# KiCad board bumwings_v001R64_rp2040zero_sd.kicad_pcb
title: BumWings_001R; date: 2022-10-12; rev: v0.5; company: tubby.twins a.k.a. mschnoor
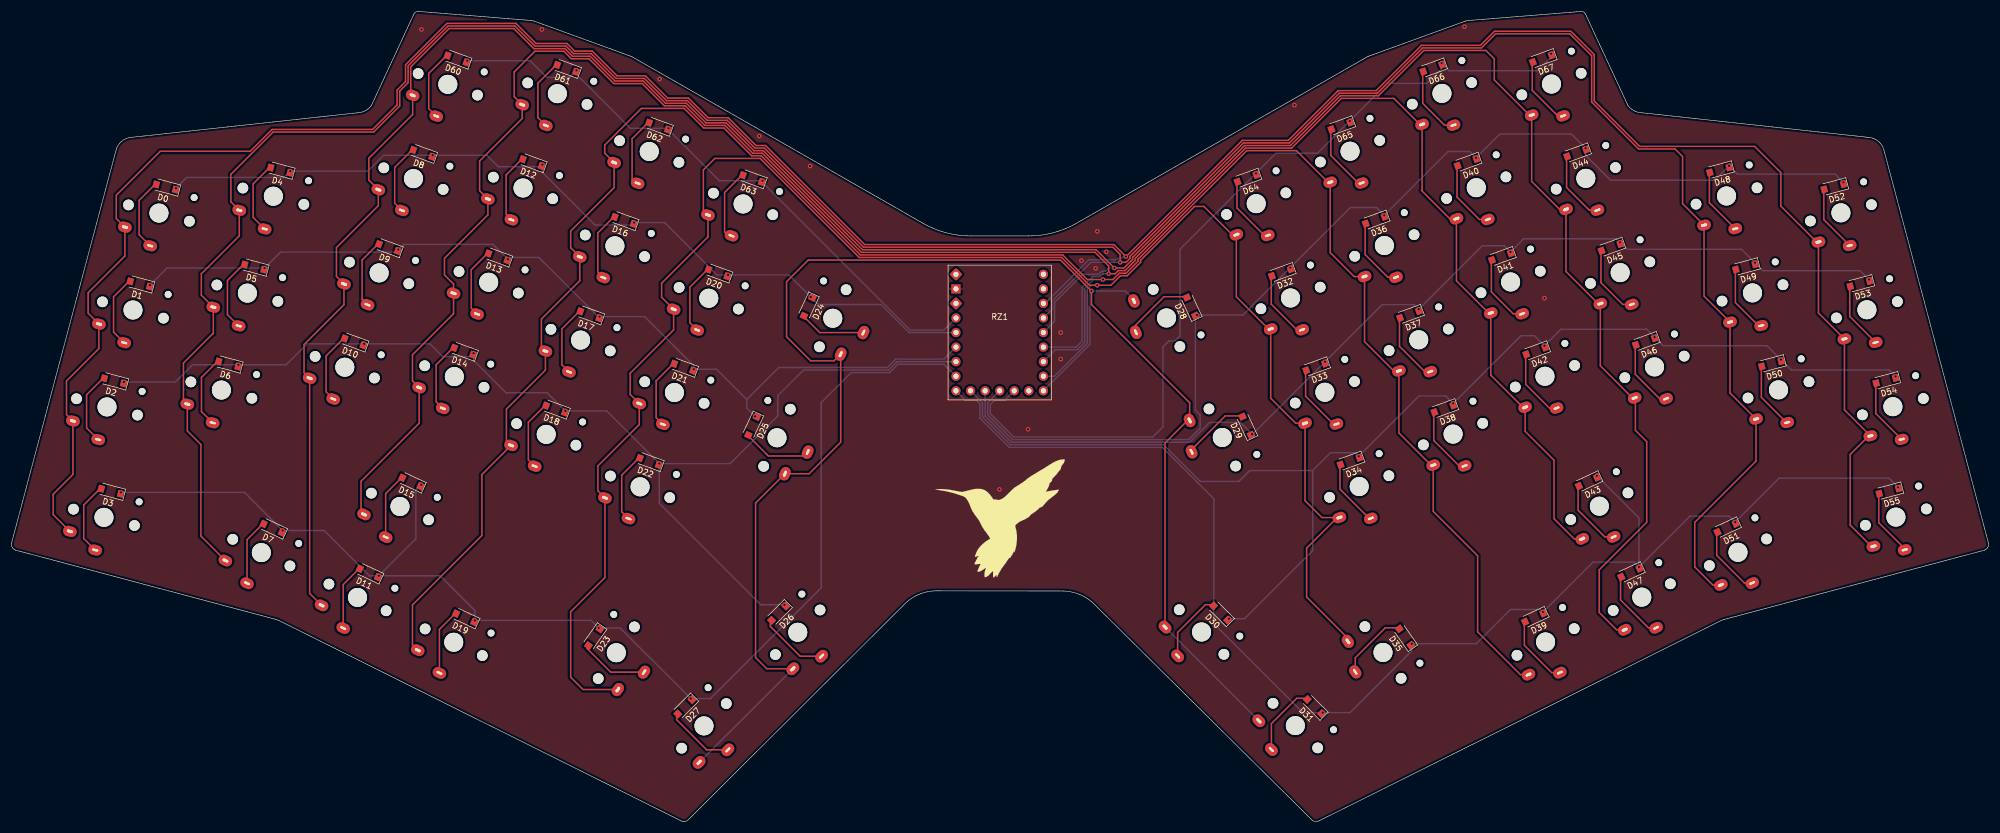
[diagram p0: board, top side]
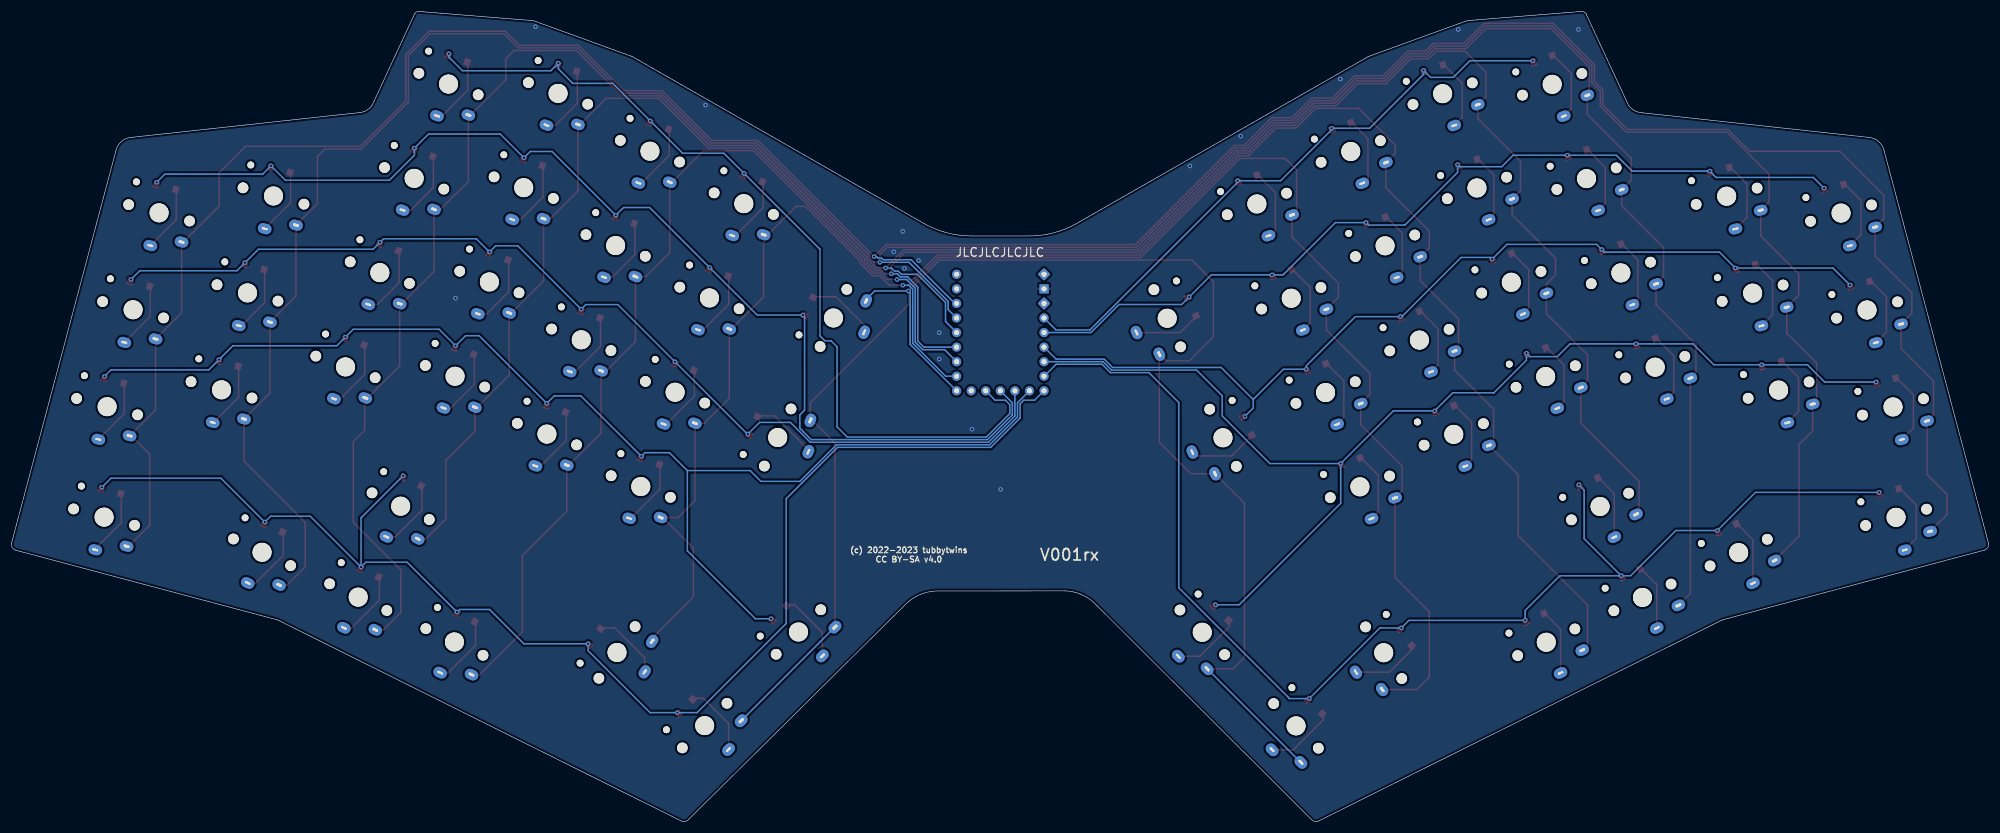
[diagram p1: board, bottom side, seen from below]

Outline 344.59 x 141.28 mm; copper layers: Top, Bottom. Coordinates in mm from the lower left corner of the outline.
Outline path: 0.71,47.33 arc(0.14,47.8) 0,48.52 18.22,117.07 arc(19.2,118.63) 20.9,119.32 60.42,123.62 arc(61.73,123.99) 62.74,124.9 70.14,140.83 arc(70.48,141.2) 70.97,141.28 90.58,139.7 arc(90.83,139.66) 91.09,139.59 107.91,133.48 arc(108.04,133.43) 108.15,133.38 158.93,104.3 arc(162.94,102.67) 167.24,102.13 177.24,102.13 arc(181.54,102.67) 185.55,104.3 236.33,133.38 arc(236.45,133.43) 236.57,133.48 253.4,139.59 arc(253.65,139.66) 253.91,139.7 273.51,141.28 arc(274,141.2) 274.34,140.83 281.74,124.9 arc(282.75,123.99) 284.07,123.62 323.59,119.32 arc(325.35,118.67) 326.37,117.07 344.59,48.52 arc(344.46,47.8) 343.88,47.33 298.48,35.24 arc(298.22,35.16) 297.97,35.06 227.84,0.1 arc(227.21,0) 226.64,0.3 189,37.64 arc(186.45,39.49) 183.38,40.21 160.99,40.23 arc(157.92,39.51) 155.38,37.64 117.95,0.3 arc(117.38,0.01) 116.75,0.1 46.62,35.06 arc(46.37,35.16) 46.11,35.24 0.71,47.33
Stack: Top 0.035mm / dielectric 1.51mm FR4 er 4.5 / Bottom 0.035mm

## Placement (name value [footprint] x y rotation side)
D0  D  [Diode_D_SOD-123]  26.92 110.66 165 top
D1  D  [Diode_D_SOD-123]  22.39 93.75 165 top
D2  D  [Diode_D_SOD-123]  17.86 76.85 165 top
D3  D  [Diode_D_SOD-123]  17.34 57.59 165 top
D4  D  [Diode_D_SOD-123]  46.86 113.59 165 top
D5  D  [Diode_D_SOD-123]  42.33 96.69 165 top
D6  D  [Diode_D_SOD-123]  37.8 79.79 165 top
D7  D  [Diode_D_SOD-123]  45.54 51.16 155 top
D8  D  [Diode_D_SOD-123]  71.67 116.54 160 top
D9  D  [Diode_D_SOD-123]  65.69 100.1 160 top
D10  D  [Diode_D_SOD-123]  59.7 83.65 160 top
D11  D  [Diode_D_SOD-123]  62.3 43.34 155 top
D12  D  [Diode_D_SOD-123]  90.77 114.91 160 top
D13  D  [Diode_D_SOD-123]  84.78 98.47 160 top
D14  D  [Diode_D_SOD-123]  78.8 82.02 160 top
D15  D  [Diode_D_SOD-123]  69.7 59.2 155 top
D16  D  [Diode_D_SOD-123]  106.79 104.83 160 top
D17  D  [Diode_D_SOD-123]  100.8 88.38 160 top
D18  D  [Diode_D_SOD-123]  94.81 71.94 160 top
D19  D  [Diode_D_SOD-123]  79.07 35.53 155 top
D20  D  [Diode_D_SOD-123]  123.14 95.68 160 top
D21  D  [Diode_D_SOD-123]  117.16 79.23 160 top
D22  D  [Diode_D_SOD-123]  111.17 62.79 160 top
D23  D  [Diode_D_SOD-123]  101.57 32.13 235 top
D24  D  [Diode_D_SOD-123]  138.87 89.77 245 top
D25  D  [Diode_D_SOD-123]  129.17 68.98 245 top
D26  D  [Diode_D_SOD-123]  133.72 36.33 225 top
D27  D  [Diode_D_SOD-123]  117.38 20.01 225 top
D28  D  [Diode_D_SOD-123]  205.61 89.82 115 top
D29  D  [Diode_D_SOD-123]  215.3 69.03 115 top
D30  D  [Diode_D_SOD-123]  210.75 36.38 135 top
D31  D  [Diode_D_SOD-123]  227.1 20.06 135 top
D32  D  [Diode_D_SOD-123]  221.33 95.73 200 top
D33  D  [Diode_D_SOD-123]  227.32 79.28 200 top
D34  D  [Diode_D_SOD-123]  233.3 62.84 200 top
D35  D  [Diode_D_SOD-123]  242.9 32.18 125 top
D36  D  [Diode_D_SOD-123]  237.69 104.88 200 top
D37  D  [Diode_D_SOD-123]  243.67 88.43 200 top
D38  D  [Diode_D_SOD-123]  249.66 71.99 200 top
D39  D  [Diode_D_SOD-123]  265.4 35.58 205 top
D40  D  [Diode_D_SOD-123]  253.71 114.96 200 top
D41  D  [Diode_D_SOD-123]  259.69 98.52 200 top
D42  D  [Diode_D_SOD-123]  265.68 82.07 200 top
D43  D  [Diode_D_SOD-123]  274.78 59.25 205 top
D44  D  [Diode_D_SOD-123]  272.8 116.59 200 top
D45  D  [Diode_D_SOD-123]  278.78 100.15 200 top
D46  D  [Diode_D_SOD-123]  284.77 83.7 200 top
D47  D  [Diode_D_SOD-123]  282.17 43.39 205 top
D48  D  [Diode_D_SOD-123]  297.71 113.64 195 top
D49  D  [Diode_D_SOD-123]  302.24 96.73 195 top
D50  D  [Diode_D_SOD-123]  306.77 79.83 195 top
D51  D  [Diode_D_SOD-123]  298.94 51.21 205 top
D52  D  [Diode_D_SOD-123]  317.65 110.7 195 top
D53  D  [Diode_D_SOD-123]  322.18 93.79 195 top
D54  D  [Diode_D_SOD-123]  326.71 76.89 195 top
D55  D  [Diode_D_SOD-123]  327.24 57.63 195 top
D60  D  [Diode_D_SOD-123]  77.66 132.99 160 top
D61  D  [Diode_D_SOD-123]  96.75 131.36 160 top
D62  D  [Diode_D_SOD-123]  112.77 121.27 160 top
D63  D  [Diode_D_SOD-123]  129.13 112.12 160 top
D64  D  [Diode_D_SOD-123]  215.35 112.17 200 top
D65  D  [Diode_D_SOD-123]  231.7 121.32 200 top
D66  D  [Diode_D_SOD-123]  247.72 131.41 200 top
D67  D  [Diode_D_SOD-123]  266.81 133.04 200 top
REF**  -  [OSHW-Symbol_6.7x6mm_mask]  172.24 48.53 0 top
RZ1  -  [RP2040-Zero-phy]  172.24 73.53 0 top
SW0  SW_PUSH  [Kailh_PG1350_1u_solder]  25.71 106.12 345 top
SW1  SW_PUSH  [Kailh_PG1350_1u_solder]  21.18 89.21 345 top
SW2  SW_PUSH  [Kailh_PG1350_1u_solder]  16.65 72.31 345 top
SW3  SW_PUSH  [Kailh_PG1350_1.5u_solder]  16.12 53.05 345 top
SW4  SW_PUSH  [Kailh_PG1350_1u_solder]  45.65 109.06 345 top
SW5  SW_PUSH  [Kailh_PG1350_1u_solder]  41.12 92.15 345 top
SW6  SW_PUSH  [Kailh_PG1350_1u_solder]  36.59 75.25 345 top
SW7  SW_PUSH  [Kailh_PG1350_1u_solder]  43.55 46.9 335 top
SW8  SW_PUSH  [Kailh_PG1350_1u_solder]  70.07 112.12 340 top
SW9  SW_PUSH  [Kailh_PG1350_1u_solder]  64.08 95.68 340 top
SW10  SW_PUSH  [Kailh_PG1350_1u_solder]  58.1 79.24 340 top
SW11  SW_PUSH  [Kailh_PG1350_1u_solder]  60.32 39.08 335 top
SW12  SW_PUSH  [Kailh_PG1350_1u_solder]  89.16 110.5 340 top
SW13  SW_PUSH  [Kailh_PG1350_1u_solder]  83.18 94.05 340 top
SW14  SW_PUSH  [Kailh_PG1350_1u_solder]  77.19 77.61 340 top
SW15  SW_PUSH  [Kailh_PG1350_1u_solder]  67.71 54.94 335 top
SW16  SW_PUSH  [Kailh_PG1350_1u_solder]  105.18 100.41 340 top
SW17  SW_PUSH  [Kailh_PG1350_1u_solder]  99.19 83.96 340 top
SW18  SW_PUSH  [Kailh_PG1350_1u_solder]  93.21 67.52 340 top
SW19  SW_PUSH  [Kailh_PG1350_1u_solder]  77.08 31.27 335 top
SW20  SW_PUSH  [Kailh_PG1350_1u_solder]  121.54 91.26 340 top
SW21  SW_PUSH  [Kailh_PG1350_1u_solder]  115.55 74.82 340 top
SW22  SW_PUSH  [Kailh_PG1350_1u_solder]  109.57 58.37 340 top
SW23  SW_PUSH  [Kailh_PG1350_1.5u_solder]  105.42 29.44 55 top
SW24  SW_PUSH  [Kailh_PG1350_1u_solder]  143.15 87.77 65 top
SW25  SW_PUSH  [Kailh_PG1350_1.5u_solder]  133.43 66.93 65 top
SW26  SW_PUSH  [Kailh_PG1350_1u_solder]  137.05 33.01 45 top
SW27  SW_PUSH  [Kailh_PG1350_1.5u_solder]  120.7 16.68 45 top
SW28  SW_PUSH  [Kailh_PG1350_1u_solder]  201.32 87.82 295 top
SW29  SW_PUSH  [Kailh_PG1350_1.5u_solder]  211.04 66.98 295 top
SW30  SW_PUSH  [Kailh_PG1350_1u_solder]  207.43 33.06 315 top
SW31  SW_PUSH  [Kailh_PG1350_1.5u_solder]  223.77 16.73 315 top
SW32  SW_PUSH  [Kailh_PG1350_1u_solder]  222.94 91.31 20 top
SW33  SW_PUSH  [Kailh_PG1350_1u_solder]  228.92 74.87 20 top
SW34  SW_PUSH  [Kailh_PG1350_1u_solder]  234.91 58.42 20 top
SW35  SW_PUSH  [Kailh_PG1350_1.5u_solder]  239.05 29.49 305 top
SW36  SW_PUSH  [Kailh_PG1350_1u_solder]  239.3 100.46 20 top
SW37  SW_PUSH  [Kailh_PG1350_1u_solder]  245.28 84.01 20 top
SW38  SW_PUSH  [Kailh_PG1350_1u_solder]  251.27 67.57 20 top
SW39  SW_PUSH  [Kailh_PG1350_1u_solder]  267.39 31.32 25 top
SW40  SW_PUSH  [Kailh_PG1350_1u_solder]  255.31 110.55 20 top
SW41  SW_PUSH  [Kailh_PG1350_1u_solder]  261.3 94.1 20 top
SW42  SW_PUSH  [Kailh_PG1350_1u_solder]  267.28 77.66 20 top
SW43  SW_PUSH  [Kailh_PG1350_1u_solder]  276.76 54.99 25 top
SW44  SW_PUSH  [Kailh_PG1350_1u_solder]  274.41 112.17 20 top
SW45  SW_PUSH  [Kailh_PG1350_1u_solder]  280.39 95.73 20 top
SW46  SW_PUSH  [Kailh_PG1350_1u_solder]  286.38 79.29 20 top
SW47  SW_PUSH  [Kailh_PG1350_1u_solder]  284.16 39.13 25 top
SW48  SW_PUSH  [Kailh_PG1350_1u_solder]  298.93 109.1 15 top
SW49  SW_PUSH  [Kailh_PG1350_1u_solder]  303.46 92.19 15 top
SW50  SW_PUSH  [Kailh_PG1350_1u_solder]  307.99 75.29 15 top
SW51  SW_PUSH  [Kailh_PG1350_1u_solder]  300.92 46.95 25 top
SW52  SW_PUSH  [Kailh_PG1350_1u_solder]  318.87 106.16 15 top
SW53  SW_PUSH  [Kailh_PG1350_1u_solder]  323.4 89.25 15 top
SW54  SW_PUSH  [Kailh_PG1350_1u_solder]  327.93 72.35 15 top
SW55  SW_PUSH  [Kailh_PG1350_1.5u_solder]  328.45 53.09 15 top
SW60  SW_PUSH  [Kailh_PG1350_1u_solder]  76.05 128.57 340 top
SW61  SW_PUSH  [Kailh_PG1350_1u_solder]  95.15 126.94 340 top
SW62  SW_PUSH  [Kailh_PG1350_1u_solder]  111.16 116.85 340 top
SW63  SW_PUSH  [Kailh_PG1350_1u_solder]  127.52 107.71 340 top
SW64  SW_PUSH  [Kailh_PG1350_1u_solder]  216.95 107.76 20 top
SW65  SW_PUSH  [Kailh_PG1350_1u_solder]  233.31 116.9 20 top
SW66  SW_PUSH  [Kailh_PG1350_1u_solder]  249.33 126.99 20 top
SW67  SW_PUSH  [Kailh_PG1350_1u_solder]  268.42 128.62 20 top

## Footprints (pads in the part's own frame, mm; a bottom-side part is the same pattern mirrored in y, then rotated)
Diode_D_SOD-123
  rect 1.1x1.2 smd: 1(-1.75,0) 2(1.75,0)
Kailh_PG1350_1.5u_solder
  round 1.85 hole 1.85 unplated: (-5.5,0) (5.5,0)
  round 3.3 hole 3.3 unplated: (0,0)
  round 1.2 hole 1.2 unplated: (5.22,4.2)
  oval 2.4x1.8 hole 1.1x0.5: 1(-5.1,-3.9)
  oval 2.4x1.8 hole 1.1x0.4: 2(0,-5.9)
Kailh_PG1350_1u_solder
  round 1.85 hole 1.85 unplated: (-5.5,0) (5.5,0)
  round 3.3 hole 3.3 unplated: (0,0)
  round 1.2 hole 1.2 unplated: (5.22,4.2)
  oval 2.4x1.8 hole 1.1x0.5: 1(-5.1,-3.9)
  oval 2.4x1.8 hole 1.1x0.4: 2(0,-5.9)
RP2040-Zero-phy
  round 1.6 hole 0.9: 0(7.62,21.91) 1(7.62,19.37) 2(7.62,16.83) 3(7.62,14.29) 4(7.62,11.75) 5(7.62,9.21) 6(7.62,6.67) 7(7.62,4.13) 8(7.62,1.59) 9(5.08,1.59) 10(2.54,1.59) 11(0,1.59) 12(-2.54,1.59) 13(-5.08,1.59) 14(-7.62,1.59) 15(-7.62,4.13) 26(-7.62,6.67) 27(-7.62,9.21) 28(-7.62,11.75) 29(-7.62,14.29)
  rect 1.6x1.6 hole 0.9: G1(-7.62,19.37)
  rrect 1.6x1.6 hole 0.9 rot 45: v3(-7.62,16.83) v5(-7.62,21.91)

## Nets
GND: RZ1.G1
VCC: RZ1.v3
col_i1: RZ1.6 SW16.1 SW17.1 SW18.1 SW19.1 SW36.1 SW37.1 SW38.1 SW39.1 SW62.1 SW65.1
col_i2: RZ1.7 SW20.1 SW21.1 SW22.1 SW23.1 SW32.1 SW33.1 SW34.1 SW35.1 SW63.1 SW64.1
col_m: RZ1.5 SW12.1 SW13.1 SW14.1 SW15.1 SW40.1 SW41.1 SW42.1 SW43.1 SW61.1 SW66.1
col_p1: RZ1.3 SW4.1 SW5.1 SW6.1 SW7.1 SW48.1 SW49.1 SW50.1 SW51.1
col_p2: RZ1.2 SW0.1 SW1.1 SW2.1 SW3.1 SW52.1 SW53.1 SW54.1 SW55.1
col_r: RZ1.4 SW8.1 SW9.1 SW10.1 SW11.1 SW44.1 SW45.1 SW46.1 SW47.1 SW60.1 SW67.1
col_t: RZ1.8 SW24.1 SW25.1 SW26.1 SW27.1 SW28.1 SW29.1 SW30.1 SW31.1
rowL_dn: D2.1 D6.1 D10.1 D14.1 D18.1 D22.1 D26.1 RZ1.26
rowL_extra: D60.1 D61.1 D62.1 D63.1 RZ1.29
rowL_home: D1.1 D5.1 D9.1 D13.1 D17.1 D21.1 D25.1 RZ1.27
rowL_mod: D3.1 D7.1 D11.1 D15.1 D19.1 D23.1 D27.1 RZ1.15
rowL_up: D0.1 D4.1 D8.1 D12.1 D16.1 D20.1 D24.1 RZ1.28
rowR_dn: D30.1 D34.1 D38.1 D42.1 D46.1 D50.1 D54.1 RZ1.13
rowR_extra: D64.1 D65.1 D66.1 D67.1 RZ1.10
rowR_home: D29.1 D33.1 D37.1 D41.1 D45.1 D49.1 D53.1 RZ1.12
rowR_mod: D31.1 D35.1 D39.1 D43.1 D47.1 D51.1 D55.1 RZ1.14
rowR_up: D28.1 D32.1 D36.1 D40.1 D44.1 D48.1 D52.1 RZ1.11
Net-(D0-Pad2): D0.2 SW0.2
Net-(D1-Pad2): D1.2 SW1.2
Net-(D2-Pad2): D2.2 SW2.2
Net-(D3-Pad2): D3.2 SW3.2
Net-(D4-Pad2): D4.2 SW4.2
Net-(D5-Pad2): D5.2 SW5.2
Net-(D6-Pad2): D6.2 SW6.2
Net-(D7-Pad2): D7.2 SW7.2
Net-(D8-Pad2): D8.2 SW8.2
Net-(D9-Pad2): D9.2 SW9.2
Net-(D10-Pad2): D10.2 SW10.2
Net-(D11-Pad2): D11.2 SW11.2
Net-(D12-Pad2): D12.2 SW12.2
Net-(D13-Pad2): D13.2 SW13.2
Net-(D14-Pad2): D14.2 SW14.2
Net-(D15-Pad2): D15.2 SW15.2
Net-(D16-Pad2): D16.2 SW16.2
Net-(D17-Pad2): D17.2 SW17.2
Net-(D18-Pad2): D18.2 SW18.2
Net-(D19-Pad2): D19.2 SW19.2
Net-(D20-Pad2): D20.2 SW20.2
Net-(D21-Pad2): D21.2 SW21.2
Net-(D22-Pad2): D22.2 SW22.2
Net-(D23-Pad2): D23.2 SW23.2
Net-(D24-Pad2): D24.2 SW24.2
Net-(D25-Pad2): D25.2 SW25.2
Net-(D26-Pad2): D26.2 SW26.2
Net-(D27-Pad2): D27.2 SW27.2
Net-(D28-Pad2): D28.2 SW28.2
Net-(D29-Pad2): D29.2 SW29.2
Net-(D30-Pad2): D30.2 SW30.2
Net-(D31-Pad2): D31.2 SW31.2
Net-(D32-Pad2): D32.2 SW32.2
Net-(D33-Pad2): D33.2 SW33.2
Net-(D34-Pad2): D34.2 SW34.2
Net-(D35-Pad2): D35.2 SW35.2
Net-(D36-Pad2): D36.2 SW36.2
Net-(D37-Pad2): D37.2 SW37.2
Net-(D38-Pad2): D38.2 SW38.2
Net-(D39-Pad2): D39.2 SW39.2
Net-(D40-Pad2): D40.2 SW40.2
Net-(D41-Pad2): D41.2 SW41.2
Net-(D42-Pad2): D42.2 SW42.2
Net-(D43-Pad2): D43.2 SW43.2
Net-(D44-Pad2): D44.2 SW44.2
Net-(D45-Pad2): D45.2 SW45.2
Net-(D46-Pad2): D46.2 SW46.2
Net-(D47-Pad2): D47.2 SW47.2
Net-(D48-Pad2): D48.2 SW48.2
Net-(D49-Pad2): D49.2 SW49.2
Net-(D50-Pad2): D50.2 SW50.2
Net-(D51-Pad2): D51.2 SW51.2
Net-(D52-Pad2): D52.2 SW52.2
Net-(D53-Pad2): D53.2 SW53.2
Net-(D54-Pad2): D54.2 SW54.2
Net-(D55-Pad2): D55.2 SW55.2
Net-(D60-Pad2): D60.2 SW60.2
Net-(D61-Pad2): D61.2 SW61.2
Net-(D62-Pad2): D62.2 SW62.2
Net-(D63-Pad2): D63.2 SW63.2
Net-(D64-Pad2): D64.2 SW64.2
Net-(D65-Pad2): D65.2 SW65.2
Net-(D66-Pad2): D66.2 SW66.2
Net-(D67-Pad2): D67.2 SW67.2

Pads without a net: RZ1 0 1 9 v5

## Via types
v1: diameter 0.8, hole 0.4, Top to Bottom, 87 vias

## Routing (per net, layer and track width the routed paths; a pad name or vN(x,y) marks a point on that pad's centre or on a via; arc(x,y) is an arc through that point)
GND:
  vias: v1(71.47,138.15) v1(92.44,138.15) v1(112.97,129.5) v1(130.34,119.55) v1(139.19,114.32) v1(172.19,57.93) v1(177.19,68.42) v1(182.89,85.27) v1(182.89,80.65) v1(186.49,97.82) v1(188.97,96.47) v1(189.24,102.92) v1(190.82,99.37) v1(223.62,124.95) v1(253.24,138.62) v1(267.19,91.28)
col_i1: length 384.2
  Top w0.25: SW19.1 69.89,30.81 69.89,37.78 81.99,49.88 81.99,60.51 SW18.1 86.27,66.41 86.27,71.93 93.07,78.73 SW17.1 92.37,82.74 92.37,87.63 99.05,94.32 SW16.1 97.47,100.07 97.47,102.98 105.04,110.55 SW62.1 103.4,116.57 103.4,117.98 109.79,124.37 117.25,124.37 120.67,120.95 124.17,120.95 129.02,116.1 130.68,116.1 147.96,98.82 183.22,98.82 187.51,94.53 v1(190.24,94.53) 191.99,94.53 193.09,95.63 194.28,95.63 196.35,97.71 196.35,98.06 215.29,117 223.97,117 229.47,111.49 SW65.1 229.85,99.22 231.29,97.79 234.02,95.05 SW36.1 235.84,83.69 240.92,78.61 SW37.1 241.82,67.76 247.42,62.16 SW38.1 247.81,54.09 255.54,46.36 255.54,33.08 263,25.63 SW39.1
  Bottom w0.25: v1(190.24,94.53) 188.58,94.53 187.07,93.02 187.07,83.6 185.76,82.29 181.95,82.29 RZ1.6
col_i2: length 331.1
  Top w0.25: SW35.1 232.93,31.97 225.74,39.16 225.74,47.68 231.07,53.01 SW34.1 228.41,53.01 225.46,55.96 SW33.1 223.84,69.46 219.48,73.82 SW32.1 219.1,85.9 213.49,91.5 SW64.1 212.77,102.35 207.84,107.27 206.2,107.27 196.8,97.88 196.8,97.52 194.46,95.18 193.27,95.18 191.62,93.53 v1(189.24,93.53) 187.87,93.53 183.03,98.37 147.77,98.37 130.49,115.65 122.59,115.65 120.59,113.65 120.59,106.59 SW63.1 121.4,101.96 113.32,93.88 113.32,91.44 SW20.1 115.41,85.75 107.84,78.18 107.84,74.48 SW21.1 109.42,69.24 102.22,62.03 102.22,57.68 103.44,56.45 103.44,42.56 97.47,36.58 97.47,25.18 99.63,23.02 SW23.1
  Bottom w0.25: RZ1.7 181.76,77.66 187.52,83.41 187.52,92.83 188.22,93.53 v1(189.24,93.53)
col_m: length 392.5
  Top w0.25: SW43.1 272.37,49.3 268.87,52.8 268.87,63.01 263.82,68.05 SW42.1 263.44,72.25 257.84,77.85 SW41.1 257.45,88.69 251.85,94.29 SW40.1 250.69,105.14 245.77,110.05 245.87,110.15 SW66.1 245.48,121.58 240.94,126.12 231.79,126.12 223.12,117.45 215.1,117.45 195.89,98.23 195.89,97.88 194.09,96.08 192.9,96.08 192.35,95.53 v1(191.24,95.53) 191.24,96.89 188.86,99.27 148.14,99.27 130.87,116.55 129.21,116.55 124.36,121.4 120.86,121.4 117.44,124.82 113.81,124.82 109.94,128.7 104.99,128.7 100.67,133.02 97.59,133.02 96.27,134.35 91.24,134.35 87.62,130.72 87.62,126.42 SW61.1 89.02,122.61 83.71,117.3 81.59,115.18 81.59,110.02 SW12.1 83.04,105.8 75.47,98.23 75.47,95.33 77.05,93.75 SW13.1 77.05,88.57 69.89,81.41 69.89,76.86 SW14.1 71.06,69.48 60.93,59.34 60.93,54.08 SW15.1
  Bottom w0.25: v1(191.24,95.53) 190.22,95.53 189.67,94.98 188.39,94.98 186.62,93.2 186.62,83.78 185.57,82.74 RZ1.5
col_p1: length 497.4
  Top w0.25: SW51.1 296.53,41.26 293.39,44.4 293.39,52.18 304.07,62.86 SW50.1 299.54,74.73 SW49.1 295.01,91.64 SW48.1 291.27,107.75 291.27,115.98 289.94,117.3 283.59,117.3 275.42,125.47 275.42,133.57 271.62,137.37 258.67,137.37 256.22,134.92 245.96,134.92 238.06,127.02 231.42,127.02 222.75,118.35 214.73,118.35 194.97,98.58 194.97,98.23 194.26,97.52 193.25,97.52 v1(193.24,97.53) 193.24,98.89 191.96,100.17 148.52,100.17 131.24,117.45 129.58,117.45 124.73,122.3 121.23,122.3 117.81,125.72 114.18,125.72 110.31,129.6 105.37,129.6 101.04,133.92 97.97,133.92 96.64,135.25 91.23,135.25 87.73,138.75 76.08,138.75 69.13,131.8 69.13,128.86 67.67,127.4 67.67,124.8 63.12,120.25 45.61,120.25 38.24,112.88 38.24,108.08 SW4.1 39.71,102.15 33.09,95.53 33.09,91.79 SW5.1 35.18,85.1 35.11,85.1 29.97,79.97 29.97,73.48 SW6.1 30.65,68.12 33.02,65.76 33.02,49.79 SW7.1
  Bottom w0.25: v1(193.24,97.53) 188.15,97.53 181.34,90.72 181.34,89.3 RZ1.3
col_p2: length 515.1
  Top w0.25: SW3.1 7.27,53.52 7.27,57.08 10.71,60.53 SW2.1 9.59,70.98 9.59,76.83 15.24,82.48 SW1.1 13.37,88.64 13.37,92.23 19.77,98.64 SW0.1 18.27,105.17 18.27,109.23 25.93,116.9 41.62,116.9 45.42,120.7 62.93,120.7 67.22,124.98 67.22,127.58 68.68,129.05 68.68,131.99 75.9,139.2 87.92,139.2 91.42,135.7 96.83,135.7 98.15,134.37 101.23,134.37 105.55,130.05 110.49,130.05 114.37,126.17 117.99,126.17 121.42,122.75 124.92,122.75 129.77,117.9 131.43,117.9 148.7,100.62 192.14,100.62 194.24,98.53 v1(194.24,98.53) 194.28,98.53 214.54,118.8 222.56,118.8 231.24,127.47 237.87,127.47 245.77,135.37 256.03,135.37 258.48,137.82 271.81,137.82 275.87,133.76 275.87,125.66 283.78,117.75 303.83,117.75 308.39,113.18 308.39,107.33 314.65,101.07 SW52.1 314.95,88.7 SW53.1 319.48,71.79 SW54.1 323.72,67.26 320.49,64.03 320.49,51.69 324.17,48.01 SW55.1
  Bottom w0.25: RZ1.2 180.16,90.36 187.78,97.98 192.67,97.98 192.94,98.26 193.54,98.26 193.82,98.53 v1(194.24,98.53)
col_r: length 468.1
  Top w0.25: SW47.1 279.76,33.44 276.74,36.47 276.74,43.91 285.02,52.18 285.02,66.26 283.05,68.23 283.05,73.75 SW46.1 282.53,73.88 276.93,79.48 SW45.1 276.55,90.32 270.95,95.92 SW44.1 269.83,106.77 264.96,111.64 SW67.1 264.58,123.21 258.44,129.34 258.44,133.02 256.99,134.47 246.14,134.47 238.24,126.57 231.61,126.57 222.93,117.9 214.92,117.9 195.42,98.4 195.42,98.04 193.9,96.53 v1(192.24,96.53) 192.24,96.53 189.04,99.72 148.33,99.72 131.05,117 129.4,117 124.55,121.85 121.05,121.85 117.62,125.27 114,125.27 110.12,129.15 105.18,129.15 100.86,133.47 97.78,133.47 96.46,134.8 91.04,134.8 87.54,138.3 76.27,138.3 69.58,131.61 69.58,126.99 SW60.1 69.93,123.32 62.29,115.68 62.29,111.85 SW8.1 63.94,107.41 56.64,100.11 56.64,95.07 SW9.1 57.96,90.15 50.99,83.18 50.99,78.29 SW10.1 51.97,71.42 51.97,70.07 51.97,39.78 SW11.1
  Bottom w0.25: RZ1.4 181.79,87.21 181.79,90.54 186.69,95.43 189.48,95.43 190.03,95.98 190.67,95.98 191.22,96.53 v1(192.24,96.53)
col_t: length 290.1
  Top w0.25: SW26.1 131.65,26.64 129.69,28.6 129.69,55.54 SW25.1 139.03,60.66 144.53,66.16 SW24.1 143.38,80.35 139.29,80.35 135.09,84.55 135.09,94.15 138.87,97.92 182.84,97.92 188.24,92.53 v1(188.24,92.53) 188.24,90.15 205.35,73.04 SW29.1 204.99,69.95 201.07,66.03 SW30.1
  Bottom w0.25: SW26.1 119.87,10.32 SW27.1 ; SW28.1 195.63,91.03 194.14,92.53 v1(188.24,92.53) 187.97,92.26 187.97,83.23 RZ1.8 ; SW31.1 201.09,33.9 SW30.1
rowL_dn: length 203.2
  Bottom w0.25: v1(112.92,62.43) 125.27,62.43 133.57,70.73 133.57,74.26 138.05,78.74 152.87,78.74 154.33,80.2 RZ1.26 ; v1(112.92,62.43) 112.92,55.5 130.62,37.8 v1(134.72,37.8) ; v1(112.92,62.43) 103.74,71.61 v1(96.54,71.61) 93.37,74.78 86.29,74.78 86.24,74.73 80.54,80.43 v1(80.54,81.68) 79.94,81.08 75.17,81.08 72.94,83.31 v1(61.47,83.31) 51.52,83.31 47.87,79.66 v1(39.57,79.66) 31.57,79.66 28.57,76.66 v1(19.59,76.66)
rowL_extra: length 107.3
  Bottom w0.25: v1(79.45,132.68) 90.4,132.68 93.3,129.78 97.25,129.78 v1(98.47,131.01) 98.47,130.31 107.87,120.91 v1(114.52,120.91) 114.52,120.62 123.38,111.76 v1(130.9,111.76) 130.9,111.46 156.62,85.73 162.53,85.73 RZ1.29
rowL_home: length 162.6
  Bottom w0.25: 128.17,73.61 128.17,72.11 v1(129.62,70.66) ; 128.17,73.61 122.89,78.88 v1(118.92,78.88) 118.92,79.48 110.34,88.06 v1(102.52,88.06) 102.24,88.06 91.92,98.38 86.82,98.38 v1(86.52,98.08) 83.94,100.66 68.32,100.66 v1(67.42,99.76) 66.97,99.31 46.89,99.31 v1(44.12,96.53) 27.12,96.53 v1(24.14,93.56) ; 128.17,73.61 133.75,79.19 152.68,79.19 154.14,80.65 162.51,80.65 164.6,82.74 RZ1.27
rowL_mod: length 224.4
  Bottom w0.25: v1(19.07,57.41) 40.62,57.41 v1(47.27,50.76) 54.49,50.76 62.39,42.86 v1(64.02,42.86) ; v1(64.02,42.86) 74.72,42.86 80.77,36.81 v1(80.77,35.08) 101.02,35.08 v1(102.34,33.76) 106.09,33.76 v1(118.39,21.45) 121.89,21.45 121.89,21.52 141.14,40.77 141.14,73.08 146.35,78.29 153.05,78.29 154.51,79.75 162.52,79.75 164.61,77.66 RZ1.15 ; v1(64.02,42.86) 70.49,49.33 70.49,57.81 v1(71.42,58.73)
rowL_up: length 152.6
  Bottom w0.25: v1(28.67,110.46) 30.54,112.33 47.49,112.33 v1(48.59,113.43) 62.1,113.43 64.88,116.21 v1(73.42,116.21) 82.84,116.21 84.84,114.21 92.19,114.21 v1(92.54,114.56) 92.54,113.21 101.72,104.03 108.09,104.03 v1(108.52,104.46) 113.84,104.46 122.97,95.33 v1(124.89,95.33) 135.47,95.33 v1(139.32,91.48) 140.63,90.17 151.54,90.17 156.44,85.28 RZ1.28
rowR_dn: length 220.1
  Bottom w0.25: v1(212.22,35.37) 214.93,35.37 226.79,47.23 226.79,61.21 ; 226.79,61.21 229.92,64.33 234.19,64.33 v1(234.82,63.71) 245.34,74.23 249.99,74.23 v1(251.29,72.93) 263.09,84.73 265.44,84.73 v1(267.19,82.98) 270.07,85.86 285.02,85.86 v1(286.39,84.48) 287.89,82.98 305.99,82.98 v1(308.42,80.56) 310.22,78.76 327.27,78.76 v1(328.39,77.63) ; 226.79,61.21 215.84,61.21 213.96,59.32 207.18,59.32 200.79,65.71 174.1,65.71 169.25,70.55 169.25,73.03 RZ1.13
rowR_extra: length 153
  Bottom w0.25: v1(268.35,133.91) 268.35,133.31 265.97,130.93 250.6,130.93 v1(249.27,132.26) 249.27,131.26 246.75,128.73 239.8,128.73 v1(233.25,122.18) 227.62,116.56 220.42,116.56 v1(216.9,113.03) 203.67,99.81 203.67,84.7 202.8,83.83 201.75,83.83 200.7,82.78 200.7,68.83 198.92,67.06 174.68,67.06 170.6,71.13 170.6,72.73 171.34,73.47 173.14,73.47 174.78,75.11 RZ1.10
rowR_home: length 181.2
  Bottom w0.25: RZ1.12 169.7,70.74 174.29,66.16 205.38,66.16 208.83,69.61 214.19,69.61 v1(216.24,67.56) 216.32,67.56 v1(228.94,80.18) 238.92,90.16 244.49,90.16 v1(245.29,89.36) 256.34,100.41 260.19,100.41 v1(261.27,99.33) 263.57,101.63 279.74,101.63 v1(280.37,101.01) 281.57,99.81 301.54,99.81 v1(303.89,97.46) 305.29,96.06 322.24,96.06 v1(323.77,94.53)
rowR_mod: length 240.9
  Bottom w0.25: v1(328.84,58.28) 327.24,59.88 308.09,59.88 v1(300.44,52.23) 299.42,53.26 292.54,53.26 v1(283.67,44.38) ; v1(276.32,60.31) 283.67,52.96 v1(283.67,44.38) ; RZ1.14 166.27,73.47 168.17,73.47 168.8,72.84 168.8,70.37 173.91,65.26 200.6,65.26 206.83,59.03 209.57,56.29 209.57,34.52 225.09,19 v1(228.54,19) 233.29,19 244.07,29.77 v1(244.07,31.01) 255.29,31.01 261.27,36.98 266.49,36.98 v1(266.94,36.53) 275.64,45.23 282.82,45.23 v1(283.67,44.38)
rowR_up: length 198.9
  Bottom w0.25: v1(319.29,111.48) 317.87,112.91 300.82,112.91 v1(299.37,114.36) 296.86,111.85 278.72,111.85 274.37,116.2 v1(274.37,117.43) 271.89,119.91 259.42,119.91 v1(255.27,115.76) 254.17,116.86 250.39,116.86 v1(239.27,105.73) 237.92,107.08 233.37,107.08 v1(222.89,96.61) 214.62,88.33 v1(206.65,88.33) 206.36,88.05 206.36,71.74 207.18,70.92 207.18,68.59 205.2,66.61 174.47,66.61 170.15,70.93 170.15,73.03 RZ1.11
Net-(D0-Pad2): length 13.1
  Top w0.25: 25.31,111.4 22.24,108.33 22.24,102.35 SW0.2
Net-(D1-Pad2): length 13
  Top w0.25: 20.78,94.49 17.79,91.51 17.79,85.37 SW1.2
Net-(D2-Pad2): length 13.1
  Top w0.25: SW2.2 13.09,68.64 13.09,74.43 16.25,77.59
Net-(D3-Pad2): length 13.1
  Top w0.25: 15.72,58.33 12.59,55.2 12.59,49.35 SW3.2
Net-(D4-Pad2): length 13.1
  Top w0.25: SW4.2 42.12,105.36 42.12,111.2 45.25,114.34
Net-(D5-Pad2): length 13.1
  Top w0.25: SW5.2 37.64,88.4 37.64,94.36 40.72,97.43
Net-(D6-Pad2): length 13.1
  Top w0.25: SW6.2 33.12,71.49 33.12,77.46 36.19,80.53
Net-(D7-Pad2): length 11.9
  Top w0.25: 44.08,52.17 41.06,49.15 SW7.2
Net-(D8-Pad2): length 12.7
  Top w0.25: 70.13,117.42 66.79,114.08 66.79,107.84 SW8.2
Net-(D9-Pad2): length 12.5
  Top w0.25: 64.15,100.98 61.12,97.95 61.12,91.08 SW9.2
Net-(D10-Pad2): length 12.7
  Top w0.25: SW10.2 54.84,74.93 54.84,81.21 58.16,84.53
Net-(D11-Pad2): length 11.9
  Top w0.25: 60.84,44.36 57.82,41.33 SW11.2
Net-(D12-Pad2): length 12.5
  Top w0.25: 89.23,115.79 86.22,112.78 86.22,105.88 SW12.2
Net-(D13-Pad2): length 12.5
  Top w0.25: 83.24,99.35 80.14,96.25 80.14,89.52 SW13.2
Net-(D14-Pad2): length 12.7
  Top w0.25: 77.26,82.9 74.02,79.66 74.02,73.22 SW14.2
Net-(D15-Pad2): length 11.9
  Top w0.25: SW15.2 65.22,57.2 68.24,60.22
Net-(D16-Pad2): length 12.5
  Top w0.25: 105.24,105.71 102.19,102.65 102.19,95.83 SW16.2
Net-(D17-Pad2): length 12.7
  Top w0.25: SW17.2 95.94,79.65 95.94,85.94 99.26,89.26
Net-(D18-Pad2): length 12.6
  Top w0.25: SW18.2 90.09,63.07 90.09,69.64 93.27,72.82
Net-(D19-Pad2): length 11.9
  Top w0.25: 77.61,36.54 74.59,33.52 SW19.2
Net-(D20-Pad2): length 12.8
  Top w0.25: 121.6,96.56 118.24,93.2 118.24,87 SW20.2
Net-(D21-Pad2): length 12.7
  Top w0.25: 115.62,80.12 112.37,76.86 112.37,70.44 SW21.2
Net-(D22-Pad2): length 12.7
  Top w0.25: 109.63,63.67 106.37,60.41 106.37,54.01 SW22.2
Net-(D23-Pad2): length 12.3
  Top w0.25: SW23.2 104.45,26.05 100.32,30.18 100.32,30.87
Net-(D24-Pad2): length 11.9
  Top w0.25: SW24.2 140.89,85.28 137.86,88.31
Net-(D25-Pad2): length 12.7
  Top w0.25: 131.6,64.09 131.75,63.93 ; 131.6,64.09 128.16,67.52 ; 131.6,64.09 131.93,63.76 138.1,63.76 SW25.2
Net-(D26-Pad2): length 12.4
  Top w0.25: 132.27,35.3 132.27,34.02 137.46,28.83 SW26.2
Net-(D27-Pad2): length 12.4
  Top w0.25: 115.93,18.98 115.93,17.76 121.13,12.56 121.13,12.51 SW27.2
Net-(D28-Pad2): length 12.5
  Top w0.25: 205.14,91.53 200.9,91.53 195.98,86.61 SW28.2
Net-(D29-Pad2): length 12
  Top w0.25: 214.83,70.74 211.56,70.74 205.7,64.88 SW29.2
Net-(D30-Pad2): length 12.6
  Top w0.25: SW30.2 203.26,32.99 208.1,37.83 209.73,37.83
Net-(D31-Pad2): length 12.8
  Top w0.25: 226.07,21.5 224.03,21.5 219.6,17.08 SW31.2
Net-(D32-Pad2): length 12.4
  Top w0.25: SW32.2 224.03,85.77 219.58,90.21 219.58,95.41
Net-(D33-Pad2): length 12.2
  Top w0.25: SW33.2 230.42,69.32 225.57,74.18 225.57,78.97
Net-(D34-Pad2): length 12
  Top w0.25: 231.55,62.52 231.55,57.97 236.64,52.88 SW34.2
Net-(D35-Pad2): length 12.5
  Top w0.25: 242.14,33.79 239.45,33.79 234.22,28.56 SW35.2
Net-(D36-Pad2): length 12.7
  Top w0.25: 235.94,104.56 235.94,98.88 239.91,94.92 SW36.2
Net-(D37-Pad2): length 12.4
  Top w0.25: 241.93,88.11 241.93,82.87 246.33,78.47 SW37.2
Net-(D38-Pad2): length 12.4
  Top w0.25: 247.91,71.67 247.91,66.44 252.32,62.03 SW38.2
Net-(D39-Pad2): length 12.5
  Top w0.25: SW39.2 268.45,25.97 263.69,30.73 263.69,35.11
Net-(D40-Pad2): length 12.7
  Top w0.25: SW40.2 255.85,105 251.96,108.89 251.96,114.65
Net-(D41-Pad2): length 12.8
  Top w0.25: 257.94,98.2 257.94,92.35 261.74,88.56 SW41.2
Net-(D42-Pad2): length 12.6
  Top w0.25: SW42.2 268.06,72.11 263.93,76.24 263.93,81.76
Net-(D43-Pad2): length 12.6
  Top w0.25: SW43.2 277.7,49.65 273.06,54.29 273.06,58.79
Net-(D44-Pad2): length 12.7
  Top w0.25: 271.05,116.27 271.05,110.57 274.99,106.63 SW44.2
Net-(D45-Pad2): length 12.8
  Top w0.25: SW45.2 280.84,90.19 277.04,93.99 277.04,99.83
Net-(D46-Pad2): length 12.5
  Top w0.25: 283.02,83.39 283.02,78 287.28,73.74 SW46.2
Net-(D47-Pad2): length 12.5
  Top w0.25: 280.46,42.93 280.46,38.64 285.31,33.79 SW47.2
Net-(D48-Pad2): length 11.9
  Top w0.25: 295.94,113.47 295.94,107.91 SW48.2
Net-(D49-Pad2): length 12.2
  Top w0.25: 300.47,96.57 300.47,90.5 304.48,86.49 SW49.2
Net-(D50-Pad2): length 12
  Top w0.25: SW50.2 309.38,69.59 305,73.97 305,79.67
Net-(D51-Pad2): length 12.5
  Top w0.25: SW51.2 302.04,41.61 297.23,46.42 297.23,50.74
Net-(D52-Pad2): length 11.9
  Top w0.25: 315.88,110.53 315.88,104.97 SW52.2
Net-(D53-Pad2): length 11.9
  Top w0.25: 320.41,93.63 320.41,88.07 SW53.2
Net-(D54-Pad2): length 11.9
  Top w0.25: 324.94,76.73 324.94,71.16 SW54.2
Net-(D55-Pad2): length 11.9
  Top w0.25: SW55.2 329.98,47.59 325.47,52.1 325.47,57.47
Net-(D60-Pad2): length 12.8
  Top w0.25: SW60.2 72.72,124.34 72.72,130.47 76.12,133.87
Net-(D61-Pad2): length 12.8
  Top w0.25: 95.21,132.24 91.75,128.77 91.75,122.78 SW61.2
Net-(D62-Pad2): length 12.8
  Top w0.25: SW62.2 108.65,111.31 108.17,111.79 108.17,119.09 111.23,122.15
Net-(D63-Pad2): length 13
  Top w0.25: SW63.2 124.94,102.16 124.29,102.81 124.29,109.71 127.59,113
Net-(D64-Pad2): length 12.2
  Top w0.25: SW64.2 218.39,102.21 213.6,107.01 213.6,111.86
Net-(D65-Pad2): length 12.2
  Top w0.25: SW65.2 234.74,111.36 229.96,116.15 229.96,121
Net-(D66-Pad2): length 12.8
  Top w0.25: 245.97,131.09 245.97,125.26 249.78,121.45 SW66.2
Net-(D67-Pad2): length 12.4
  Top w0.25: 265.07,132.72 265.07,127.51 269.5,123.07 SW67.2

## Copper pours and planes (outline as drawn; the poured copper is in the pictures)
GND on Top, Bottom: 71.85,147.57 18.26,125.98 -10.34,40.66 41.21,29.18 90.61,9.46 119.21,-10.89 141.07,14.33 160.47,33.07 184.72,33.07 204.34,14.76 229.01,-12.84 251.54,7.08 302.01,30.91 351.61,45.41 329.74,125.13 274.35,146.16 244.8,142.46 200.67,118.88 183.59,108.27 159.77,109 123.75,134.16

## Text on the board
B.Silkscreen: (c) 2022-2023 tubbytwins / CC BY-SA v4.0 | JLCJLCJLCJLC | V001rx
